# KiCad board SimulTypeUltraFullMag.kicad_pcb (continued)
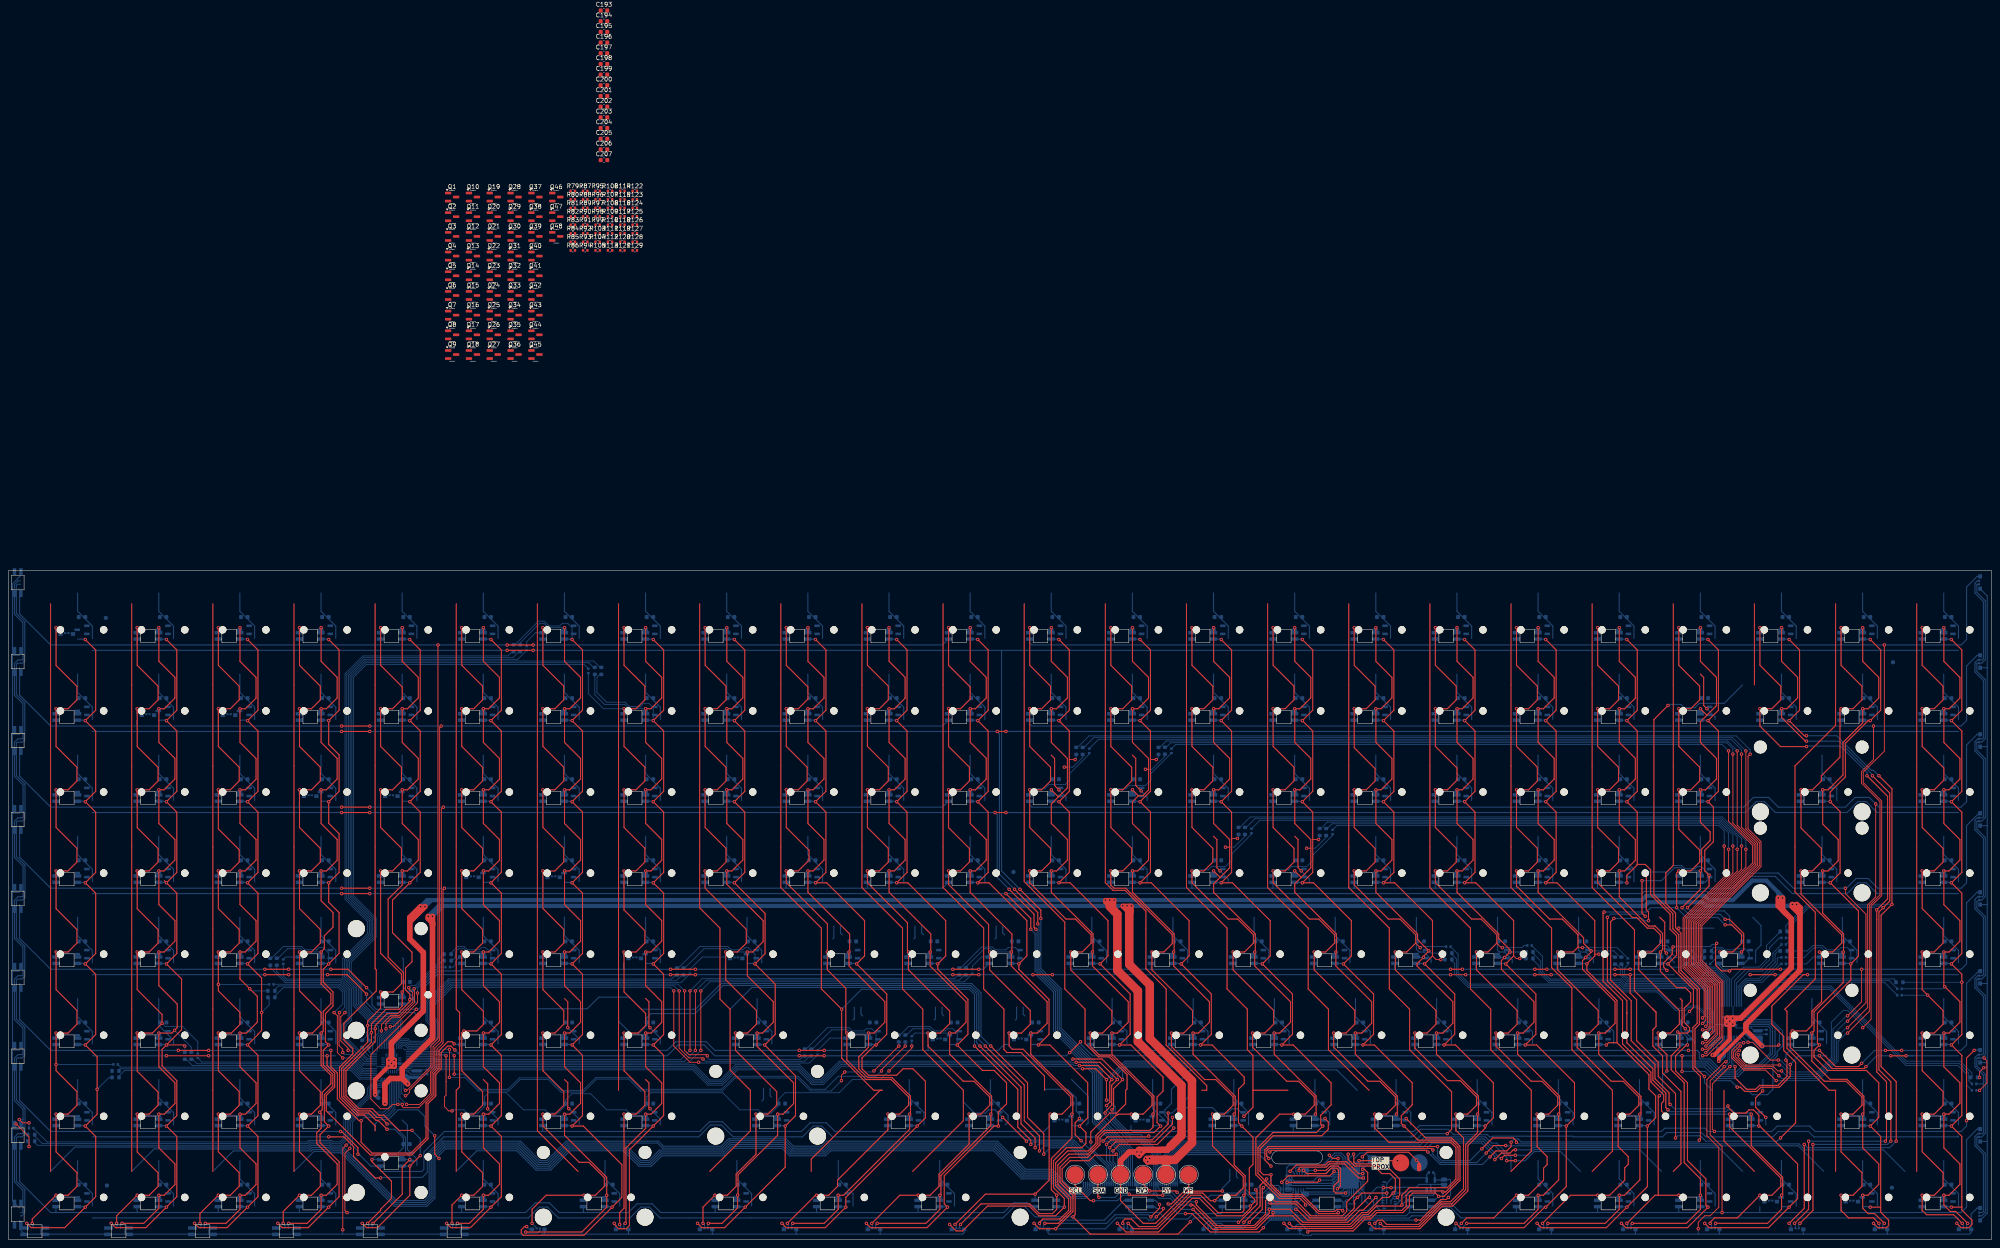
[diagram p0: board, top side]
## Routing (per net, layer and track width the routed paths; a pad name or vN(x,y) marks a point on that pad's centre or on a via; arc(x,y) is an arc through that point) (continued)
COL11: length 300.5
  Top w0.2: v1(104.64,38.84) v1(104.64,43.16) ; v1(204.97,39.6) 204.97,39.86 v1(210.55,45.45)
  Top w0.25: 280.17,35.05 281.34,35.05 281.34,36.13 271.81,45.66 271.81,58.86 267.05,63.63 267.05,77.14 262.17,82.02 259.32,82.02 257.52,83.82 257.52,149.35 ; v1(272.28,29.7) 272.28,27.16 268.5,23.39 258.85,23.39 v1(257.8,22.33)
  Bottom w0.2: v1(204.97,39.6) 203.7,38.33 194.81,38.33 191.76,35.29 188.46,35.29 185.41,38.33 170.42,38.33 167.37,35.29 148.58,35.29 145.78,38.08 137.91,38.08 134.86,35.03 129.84,35.03 126.9,37.97 119.96,37.97 117.28,35.29 110.48,35.29 106.92,38.84 v1(104.64,38.84) ; v1(104.64,43.16) 103.87,43.92 101.73,43.92 101.59,43.78 93.35,43.78 ; 210.55,46.72 v1(210.55,45.45)
  Bottom w0.25: v1(272.28,29.7) 273.21,29.7 278.56,35.05 ; v1(257.8,22.33) 257.8,18.53 258.89,17.43 J1.14
COL12: length 278.9
  Top w0.2: v1(163.06,42.4) 162.8,42.65 159.75,42.65 157.47,44.94 v1(157.47,58.4)
  Top w0.25: v1(254.11,22.9) 254.11,25.24 258.56,29.7 260.15,29.7 262.29,31.83 262.29,35.05 262.62,35.39 262.62,38.71 258.43,42.9 255.9,42.9 252.76,46.04 252.76,54.1 248,58.86 248,74.55 238.47,84.07 238.47,149.35
  Bottom w0.2: 188.46,43.41 186.9,41.86 163.6,41.86 v1(163.06,42.4) ; v1(157.47,58.4) 156.27,59.59 103.97,59.59 99.63,55.26 99.63,51.95 100.65,50.94 100.65,47.58 98.05,44.98 93.71,44.98 93.16,45.53 92.51,45.53 92.3,45.33 92.3,44.83
  Bottom w0.25: v1(254.11,22.9) 254.11,21.58 258.39,17.3 J1.13
COL13: length 240.2
  Top w0.25: 219.42,149.35 219.42,82.68 228.95,73.15 228.95,58.86 233.71,54.1 233.71,44.64 234.43,43.92 237.73,43.92 243.24,38.42 243.24,35.05 ; v1(251.45,28.43) 250.43,27.41 250.43,24.62 v1(251.83,23.22)
  Bottom w0.2: 91.1,44.83 91.1,45.83 92.01,46.73 93.66,46.73 94.21,46.18 97.55,46.18 99.45,48.08 99.45,50.44 98.43,51.45 98.43,55.77 103.45,60.79 156.82,60.79 158.48,62.46
  Bottom w0.25: J1.12 257.89,17.16 v1(251.83,23.22) ; 243.24,35.05 243.47,35.29 248.65,35.29 250.69,33.25 250.69,30.21 251.45,29.44 v1(251.45,28.43)
COL14: length 355.2
  Top w0.25: v1(239,23.09) v1(233.41,28.68) ; 212.28,16 224.19,27.91 224.19,35.05 214.66,44.58 214.66,54.1 209.9,58.86 209.9,73.15 200.37,82.68 200.37,149.35
  Bottom w0.2: 137.66,134.1 136.24,135.51 83.9,135.51 80.61,132.23 80.61,80.62 85.92,75.32 85.92,71.2 80.07,65.36 80.07,62.2 82.54,59.73 82.54,55.58 85.74,52.38 90.82,52.38 92.01,51.19 92.01,49 91.47,48.45 ; 91.47,48.45 91.85,48.84 ; 91.47,48.45 89.5,46.49 89.5,44.83
  Bottom w0.25: J1.11 257.39,16.14 250.18,23.35 239.26,23.35 v1(239,23.09) ; v1(233.41,28.68) 231.64,30.46 230.11,30.46 229.35,29.7 226.81,29.7 224.19,32.32 224.19,35.05
COL15: length 393.4
  Top w0.25: v1(226.81,45.45) 236.97,35.29 236.97,26.4 240.02,23.35 v1(240.02,22.33) ; 181.32,149.35 181.32,82.68 190.85,73.15 190.85,58.86 v1(195.61,54.1) 195.61,42.61 203.17,35.05 205.14,35.05 204.64,35.05 188.47,18.88 188.47,16
  Bottom w0.2: 120.13,138.41 118.43,136.71 83.4,136.71 79.41,132.72 79.41,80.12 84.72,74.82 84.72,71.7 78.87,65.86 78.87,61.71 81.34,59.24 81.34,55.08 85.24,51.18 90.32,51.18 90.81,50.69 90.81,49.49 88.3,46.99 88.3,44.83
  Bottom w0.25: J1.10 256.89,16 249.99,22.9 240.58,22.9 v1(240.02,22.33) ; v1(195.61,54.1) 200.28,58.77 225.6,58.77 226.81,57.56 v1(226.81,45.45)
COL16: length 294.6
  Top w0.2: v1(88.63,49.51) 88.63,50.78 90.09,52.24 91.93,52.24 95.32,55.63 95.32,58.82 v1(95.24,58.91)
  Top w0.25: v1(228.08,45.45) 237.73,35.79 237.73,27.16 241.03,23.86 v1(241.03,21.57) ; 162.27,149.35 162.27,77.91 167.04,73.15 167.04,56.48 169.42,54.1 169.42,39.81 174.18,35.05 174.18,25.53 164.66,16
  Bottom w0.2: 102.6,65.51 101.9,65.51 95.66,59.27 95.6,59.27 v1(95.24,58.91) ; v1(88.63,49.51) 88.63,49.01 87.1,47.48 87.1,44.83
  Bottom w0.25: v1(228.08,45.45) 227.32,46.21 227.32,57.69 225.79,59.22 174.53,59.22 169.42,54.1 ; J1.9 256.39,15.86 249.8,22.45 241.91,22.45 v1(241.03,21.57)
COL17: length 275.3
  Top w0.25: 143.22,35.05 143.22,149.35 ; v1(242.05,20.81) 242.05,24.36 238.49,27.92 238.49,36.3 v1(229.35,45.45)
  Bottom w0.2: 86.45,43.38 85.42,43.38 84.57,44.23 84.57,45.45
  Bottom w0.25: J1.8 255.89,15.73 249.62,22 243.24,22 v1(242.05,20.81) ; 143.22,54.1 143.22,51.31 146.04,48.49 148.07,48.49 149.85,50.27 149.85,52.05 150.86,53.07 161.15,53.07 167.75,59.67 225.97,59.67 227.83,57.82 227.83,46.97 v1(229.35,45.45)
COL18: length 351.8
  Top w0.25: 133.7,16 124.17,25.53 124.17,149.35 ; v1(243.07,20.05) 243.07,24.87 239.26,28.68 239.26,36.81 v1(230.62,45.45)
  Bottom w0.2: 86.45,42.18 84.01,42.18 78.62,47.57 78.62,50.22 80.14,51.75 80.14,58.74 78.09,60.79 65.1,60.79 62.98,62.92 62.98,64.75
  Bottom w0.25: v1(230.62,45.45) 228.33,47.73 228.33,57.94 226.16,60.12 167.31,60.12 161.28,54.08 148.58,54.08 145.72,56.94 138.61,56.94 135.87,54.21 124.28,54.21 124.17,54.1 ; v1(243.07,20.05) 244.57,21.55 249.43,21.55 255.39,15.59 J1.7
COL19: length 343.2
  Top w0.2: 77.71,53.57 v1(77.71,53.32) 77.6,53.21 77.6,45.55 78.47,44.69 v1(78.47,43.92)
  Top w0.25: 105.12,149.35 105.12,54.1 105.91,53.32 105.91,35.83 105.12,35.05 105.12,16
  Bottom w0.2: v1(77.71,53.32) 78.87,54.48 78.87,58.31 77.62,59.56 63.38,59.56 62.22,58.4 ; v1(78.47,43.92) 78.92,43.48 80.59,43.48 83.09,40.98 86.45,40.98
  Bottom w0.25: 105.12,16 109.97,20.84 119.31,20.84 123.85,16.3 127.29,16.3 131.84,20.84 144.35,20.84 147.99,17.2 150.94,17.2 153.41,19.67 168.26,19.67 170.01,21.41 181.62,21.41 183.37,19.67 191.84,19.67 193.02,20.84 231.26,20.84 237.87,14.24 244.05,14.24 248.62,9.67 252.89,9.67 254.89,11.67 J1.6
COL20: length 374.6
  Top w0.25: v1(101.08,19.03) 100.06,20.05 v1(100.06,24.36) ; 86.07,25.53 86.07,26.67 83.5,29.25 81.78,29.25 77.71,33.32 77.71,40.49 80.82,43.61 80.82,44.88 78.73,46.97 78.73,50.78 86.35,58.4 86.35,63.35 86.07,63.63 86.07,149.35
  Bottom w0.2: 86.45,39.38 82.99,39.38 81.08,41.29 44.27,41.29 42.91,42.65
  Bottom w0.25: 86.07,25.53 86.07,27.14 87.09,28.15 89.16,28.15 91.47,30.46 96.16,30.46 97.78,28.84 97.78,26.65 v1(100.06,24.36) ; J1.5 254.39,11.81 252.7,10.12 248.8,10.12 244.23,14.69 238.05,14.69 231.45,21.29 192.83,21.29 191.66,20.12 183.55,20.12 181.81,21.86 169.82,21.86 168.08,20.12 153.22,20.12 150.75,17.65 148.18,17.65 144.53,21.29 131.65,21.29 127.1,16.75 124.04,16.75 119.49,21.29 102.59,21.29 101.08,19.79 v1(101.08,19.03)
COL21: length 416.1
  Top w0.25: 67.02,149.35 67.02,16
  Bottom w0.2: 25.64,39.6 26.13,40.09 80.58,40.09 82.59,38.08 86.96,38.08 87.1,37.93
  Bottom w0.25: J1.4 253.89,11.94 252.51,10.57 248.99,10.57 244.42,15.14 238.24,15.14 231.64,21.74 192.65,21.74 191.47,20.57 183.74,20.57 182,22.31 169.64,22.31 167.89,20.57 153.04,20.57 150.57,18.1 148.37,18.1 144.72,21.74 131.46,21.74 126.92,17.2 124.23,17.2 119.68,21.74 102.4,21.74 100.12,19.46 100.12,9.7 98.22,7.8 90.6,7.8 78.03,20.37 75,20.37 74.66,20.7 71.72,20.7 67.02,16
COL22: length 466.2
  Top w0.25: 47.97,149.35 47.97,16
  Bottom w0.2: 88.3,37.93 88.3,37.11 87.35,36.16 85.5,36.16 84.72,35.38 84.72,33.85 79.13,28.26 79.13,23.73 77.94,22.54 76,22.54 75.67,22.88 70.63,22.88 70.29,22.53 7.92,22.53 5.83,24.62
  Bottom w0.25: 79.49,19.54 90.79,8.25 98.03,8.25 99.67,9.89 99.67,19.65 102.21,22.19 119.86,22.19 124.41,17.65 126.73,17.65 131.28,22.19 144.91,22.19 148.55,18.55 150.38,18.55 152.85,21.02 167.71,21.02 169.45,22.76 182.18,22.76 183.93,21.02 191.28,21.02 192.46,22.19 231.82,22.19 238.43,15.59 244.6,15.59 249.18,11.02 252.33,11.02 253.39,12.08 J1.3 ; 79.49,19.54 79.62,19.42 ; 79.49,19.54 78.22,20.82 75.25,20.82 74.92,21.15 71.45,21.15 71.11,20.81 52.78,20.81 47.97,16
COL23: length 388.6
  Top w0.25: 28.92,16 28.92,149.35
  Bottom w0.25: 81.08,18.59 78.41,21.27 75.47,21.27 75.14,21.6 71.26,21.6 70.92,21.26 34.18,21.26 28.92,16 ; 81.08,18.59 81.21,18.46 ; 81.08,18.59 90.97,8.7 97.84,8.7 99.22,10.08 99.22,19.84 102.03,22.64 120.05,22.64 124.6,18.1 126.54,18.1 131.09,22.64 152.39,22.64 153.56,21.47 167.52,21.47 169.26,23.21 182.37,23.21 184.11,21.47 191.1,21.47 192.27,22.64 232.01,22.64 238.61,16.04 244.79,16.04 249.36,11.47 252.14,11.47 252.89,12.22 J1.2
COL24: length 446.1
  Top w0.25: 9.87,16 9.87,149.35
  Bottom w0.2: 407.55,54.09 407.88,54.09 415.01,61.22 442.68,61.22 443.47,60.43
  Bottom w0.25: 9.87,16 15.58,21.71 70.73,21.71 71.08,22.05 75.33,22.05 75.66,21.72 78.59,21.72 91.16,9.15 97.66,9.15 98.77,10.26 98.77,20.02 101.84,23.09 120.24,23.09 124.78,18.55 126.36,18.55 130.9,23.09 152.57,23.09 153.75,21.92 167.33,21.92 169.08,23.66 182.55,23.66 184.3,21.92 190.91,21.92 192.09,23.09 232.19,23.09 238.8,16.49 244.98,16.49 249.55,11.92 251.96,11.92 252.39,12.35 J1.1
G1: length 67.5
  Bottom w0.2: R78.2 459.73,36.3 459.73,38.84 457.7,40.88 445.5,40.88 427.64,58.74 415.36,58.74 408.71,52.09 407.55,52.09
G24: length 5.2
  Bottom w0.2: 93.35,39.38 93.94,39.38 94.48,38.84 R101.2
G26: length 66.6
  Bottom w0.2: 407.55,52.49 408.55,52.49 415.2,59.14 427.8,59.14 445.56,41.38 457.98,41.38 460.24,39.13 460.24,37.32 460.99,36.56
R2: length 93.8
  Bottom w0.2: 87.9,37.93 87.9,37.27 87.19,36.56 85.33,36.56 84.32,35.54 84.32,34.02 78.73,28.43 78.73,23.9 77.77,22.94 76.17,22.94 75.84,23.28 70.47,23.28 70.13,22.93 9.04,22.93 R53.2
R3: length 61.9
  Bottom w0.2: R54.2 26.28,40.49 80.75,40.49 82.66,38.58 86.45,38.58
R4: length 43.2
  Bottom w0.2: 86.45,39.78 83.16,39.78 81.25,41.69 45.4,41.69 R55.2
R5: length 41
  Top w0.2: v1(78.98,53.32) 78,52.34 78,46.68 79.74,44.94 v1(79.74,44.43)
  Bottom w0.2: v1(79.74,44.43) 80.25,44.43 83.3,41.38 86.45,41.38 ; v1(78.98,53.32) 79.27,53.61 79.27,58.48 77.79,59.96 62.26,59.96 R56.2
R6: length 41.5
  Bottom w0.2: 86.45,42.58 84.17,42.58 79.02,47.74 79.02,50.06 80.54,51.58 80.54,58.91 78.25,61.19 65.27,61.19 64.5,61.96 R57.2
R7: length 3.6
  Bottom w0.2: 86.45,43.78 85.73,43.78 85.51,44 85.51,46.13 R58.2
R8: length 26.8
  Top w0.2: v1(89.65,50.02) 90.41,50.02 96.02,55.63 v1(96.02,57.89)
  Bottom w0.2: 87.5,44.83 87.5,47.32 89.65,49.46 v1(89.65,50.02) ; v1(96.02,57.89) 96.02,59.07 100.94,63.99 R59.2
R9: length 145.6
  Bottom w0.2: R60.2 119.55,136.31 83.56,136.31 79.81,132.56 79.81,80.29 85.12,74.99 85.12,71.53 79.27,65.69 79.27,61.87 81.74,59.4 81.74,55.25 85.41,51.58 90.49,51.58 91.21,50.86 91.21,49.33 88.7,46.82 88.7,44.83
R10: length 157.6
  Bottom w0.2: 89.9,44.83 89.9,46.32 92.41,48.83 92.41,51.36 90.99,52.78 85.91,52.78 82.94,55.74 82.94,59.9 80.47,62.37 80.47,65.19 86.32,71.03 86.32,75.49 81.01,80.79 81.01,132.06 84.06,135.11 135.12,135.11 R61.2
R11: length 82.7
  Bottom w0.2: R62.2 157.94,60.39 103.62,60.39 98.83,55.61 98.83,51.62 99.85,50.6 99.85,47.91 97.72,45.78 94.04,45.78 93.49,46.33 92.18,46.33 91.5,45.66 91.5,44.83
R12: length 125.1
  Top w0.2: v1(162.04,41.64) 160.01,41.64 156.2,45.45 v1(156.2,58.4)
  Bottom w0.2: v1(162.04,41.64) 162.22,41.46 188.03,41.46 R63.2 ; v1(156.2,58.4) 155.4,59.19 104.13,59.19 100.03,55.09 100.03,52.12 101.05,51.1 101.05,47.41 98.22,44.58 92.95,44.58 92.7,44.83
R13: length 158.1
  Top w0.2: v1(102.73,43.16) 102.73,37.06 ; 102.73,37.06 102.73,37.05 ; 102.73,37.06 102.73,33.89 102.35,33.51 102.35,31.22 103.37,30.21 v1(104.13,30.21) ; v1(212.08,45.45) 212.08,44.94 v1(206.74,39.6)
  Bottom w0.2: v1(206.74,39.6) 204.71,37.57 198.11,37.57 195.02,34.49 182.32,34.49 180.84,33 180.84,31.48 179.06,29.7 176.77,29.7 176.01,30.46 171.69,30.46 167.67,34.49 150.83,34.49 149.85,33.51 149.85,31.48 148.07,29.7 145.78,29.7 145.02,30.46 140.45,30.46 136.68,34.23 132.28,34.23 130.8,32.75 130.8,31.48 129.02,29.7 126.73,29.7 125.97,30.46 120.89,30.46 116.87,34.49 112.73,34.49 111.75,33.51 111.75,31.22 110.22,29.7 107.68,29.7 106.92,30.46 104.38,30.46 v1(104.13,30.21) ; v1(102.73,43.16) 102.51,43.38 100.32,43.38 ; 100.32,43.38 93.35,43.38 ; 100.32,43.38 102.35,43.38 ; R64.2 v1(212.08,45.45)
R14: length 150.1
  Top w0.2: v1(162.55,44.43) v1(162.55,58.4)
  Bottom w0.2: R65.2 224.38,60.54 164.69,60.54 v1(162.55,58.4) ; 93.35,42.18 99.46,42.18 100.18,41.46 159.58,41.46 v1(162.55,44.43)
R15: length 243.4
  Top w0.2: v1(406.9,114.03) 406.9,96.89 410.67,93.12 410.67,87.94 396.78,74.05 396.78,65.23 401.71,60.29 401.71,47.66 398.74,44.69 v1(397.71,44.69)
  Bottom w0.2: R66.2 255.95,117.51 404.43,117.51 406.9,115.04 v1(406.9,114.03) ; v1(397.71,44.69) 398.77,44.69 399.28,45.19 399.28,45.55 400.47,46.74 401.66,46.74 402.1,47.18 402.1,47.84
R16: length 213.7
  Top w0.2: v1(403.85,114.79) 403.85,98.24 409.47,92.62 409.47,88.44 395.58,74.55 395.58,64.73 400.51,59.8 400.51,48.94 398.54,46.97 v1(398.51,46.97)
  Bottom w0.2: R67.2 274.05,116.31 396.74,116.31 ; 400.65,48.49 400.09,48.49 398.57,46.97 v1(398.51,46.97) ; 396.74,116.31 396.48,116.31 ; 396.74,116.31 402.32,116.31 v1(403.85,114.79)
R17: length 172.9
  Top w0.2: v1(405.88,91.67) 405.88,86.55 394.38,75.05 394.38,64.23 399.31,59.3 399.31,49.9 398.67,49.26 v1(397.75,49.26)
  Bottom w0.2: v1(397.75,49.26) 399.02,49.26 399.45,49.69 400.65,49.69 ; R68.2 293.79,98.46 402.06,98.46 405.88,94.64 v1(405.88,91.67)
R18: length 146.2
  Top w0.2: v1(402.83,92.44) 402.83,85.2 393.18,75.55 393.18,63.73 398.11,58.8 398.11,52.41 v1(397.75,52.05)
  Bottom w0.2: 400.65,51.29 398.51,51.29 v1(397.75,52.05) ; v1(402.83,92.44) 402.83,95.99 401.56,97.26 311.9,97.26 R69.2
R19: length 74
  Bottom w0.2: R70.2 340.35,67.04 340.35,62.72 343.07,59.99 378.19,59.99 379.22,58.96 397.64,58.96 398.33,58.27 398.33,53.82 399.66,52.49 400.65,52.49
R20: length 54.2
  Bottom w0.2: 400.65,53.69 400.15,53.69 399.53,54.31 399.53,58.91 398.28,60.16 379.72,60.16 378.68,61.19 361.94,61.19 360.16,62.97 360.16,66.53 R71.2
R21: length 31.6
  Bottom w0.2: R72.2 380.23,64.5 379.46,63.73 379.46,62.24 380.34,61.36 400.54,61.36 401.7,60.2 401.7,54.74
R22: length 17.8
  Bottom w0.2: R73.2 396.84,66.17 396.84,64.02 398.07,62.79 400.81,62.79 402.9,60.7 402.9,54.74
R23: length 13.8
  Bottom w0.2: R74.2 398.51,64.24 398.77,63.99 401.31,63.99 404.1,61.19 404.1,54.74
R24: length 20.9
  Bottom w0.2: 405.7,54.74 405.7,60.25 408.51,63.06 411.81,63.06 414.26,65.51 414.26,67.29 R75.2
R25: length 16.1
  Bottom w0.2: 406.9,54.74 406.9,59.16 408.18,60.43 411.78,60.43 416.1,64.75 R76.2
R26: length 105.8
  Bottom w0.2: R77.2 440.43,60.42 415.35,60.42 408.21,53.29 407.55,53.29 ; 460.99,38.08 460.99,39.1 458.2,41.89 445.62,41.89 427.97,59.54 415.03,59.54 408.38,52.89 407.55,52.89
ROW1: length 576.3
  Top w0.25: v1(242.38,75.42) 242.38,77.37 v1(237.48,82.28) ; v1(123.18,138.41) 123.18,138.41 v1(117.08,138.41)
  Bottom w0.25: J1.24 263.89,21.32 256.75,28.46 256.75,40.03 247.15,49.62 247.15,58.89 242.38,63.66 v1(242.38,75.42) ; 233.16,138.41 123.18,138.41 v1(123.18,138.41) ; 233.16,138.41 233.16,86.59 v1(237.48,82.28) ; 233.16,138.41 457.83,138.41 ; 19.68,138.41 v1(117.08,138.41)
ROW2: length 571.5
  Top w0.25: v1(78.22,119.36) v1(84.82,119.36) ; v1(241.66,74.15) 241.66,76.83 v1(236.21,82.28) ; v1(234.18,119.36) v1(232.14,119.36)
  Bottom w0.25: 19.68,119.36 v1(78.22,119.36) ; v1(241.66,74.15) 241.93,73.87 241.93,63.48 246.7,58.71 246.7,49.44 256.3,39.84 256.3,28.28 263.39,21.18 J1.23 ; 457.83,119.36 v1(234.18,119.36) 248.28,119.36 ; v1(236.21,82.28) 232.65,85.83 232.65,118.85 v1(232.14,119.36) v1(84.82,119.36)
ROW3: length 556.7
  Top w0.25: v1(241.21,72.88) 240.78,73.31 240.78,76.43 v1(234.94,82.28) ; v1(78.22,100.31) v1(84.82,100.31) ; v1(231.64,100.31) v1(234.18,100.31)
  Bottom w0.25: 457.83,100.31 438.72,100.31 436.18,102.86 434.22,102.86 431.67,100.31 414.85,100.31 412.3,102.86 410.34,102.86 407.8,100.31 234.18,100.31 ; 234.18,100.31 v1(234.18,100.31) ; 234.18,100.31 248.28,100.31 ; 19.68,100.31 v1(78.22,100.31) ; v1(241.21,72.88) 241.48,72.6 241.48,63.29 246.25,58.52 246.25,49.25 255.85,39.66 255.85,28.09 262.89,21.05 J1.22 ; v1(234.94,82.28) 232.14,85.07 232.14,99.8 v1(231.64,100.31) 231.63,100.31 v1(84.82,100.31)
ROW4: length 524
  Top w0.25: v1(234.18,81.26) 240.02,75.42 v1(240.02,72.88) ; v1(78.22,81.26) v1(84.82,81.26)
  Bottom w0.25: 19.68,81.26 v1(78.22,81.26) ; v1(84.82,81.26) v1(234.18,81.26) 383.53,81.26 384.04,81.77 398.77,81.77 399.28,81.26 404.68,81.26 408.74,85.32 414.77,85.32 418.83,81.26 431.67,81.26 434.22,83.81 436.18,83.81 438.72,81.26 457.83,81.26 ; v1(240.02,72.88) 241.03,71.86 241.03,63.1 245.8,58.33 245.8,49.06 255.4,39.47 255.4,27.91 262.39,20.91 J1.21
ROW5: length 625.3
  Top w0.2: v1(338.57,62.21) v1(342.13,62.21)
  Top w0.25: 387.7,75.69 388.86,74.53 388.86,67.67 v1(389.24,67.29) ; v1(391.4,23.86) 391.4,34.27 387.34,38.33 387.34,41.64 382.26,46.72 382.26,56.37 380.73,57.89 v1(380.73,62.21) v1(377.18,62.21) ; v1(422.39,62.21) 421.37,62.21 414.01,54.84 414.01,50.53 416.8,47.73 416.8,44.43 419.6,41.64 419.6,27.41 v1(416.04,23.86) ; v1(84.06,57.64) 79.49,62.21 v1(74.92,62.21) ; v1(245.1,62.21) v1(240.53,62.21) ; v1(358.38,62.21) v1(362.19,62.21) ; v1(414.77,62.21) 408.93,62.21 v1(408.93,62.21) ; v1(155.44,62.21) v1(161.28,62.21) ; v1(60.19,62.21) v1(65.77,62.21) ; v1(221.73,62.21) v1(227.83,62.21)
  Bottom w0.2: 334.01,62.21 v1(338.57,62.21)
  Bottom w0.25: 76.83,62.21 v1(65.77,62.21) ; v1(416.04,23.86) 415.28,23.09 398.51,23.09 397.24,24.36 391.91,24.36 v1(391.4,23.86) ; v1(342.13,62.21) v1(358.38,62.21) ; v1(221.73,62.21) v1(161.28,62.21) ; v1(389.24,67.29) 389.24,66.93 391.16,65.01 ; J1.20 261.89,20.77 254.95,27.72 254.95,39.28 245.35,48.88 245.35,58.15 241.29,62.21 v1(240.53,62.21) 240.52,62.21 v1(227.83,62.21) ; 457.83,62.21 v1(422.39,62.21) v1(414.77,62.21) ; 19.68,62.21 v1(60.19,62.21) ; v1(377.18,62.21) v1(362.19,62.21) ; v1(338.57,62.21) 245.1,62.21 v1(245.1,62.21) ; 410.21,62.21 410.21,62.21 v1(408.93,62.21) ; v1(84.06,57.64) 84.06,55.61 86.35,53.32 95.25,53.32 95.88,52.69 97.52,54.33 97.52,59.16 100.57,62.21 v1(155.44,62.21) ; v1(380.73,62.21) 391.16,62.21
ROW6: length 543.5
  Top w0.2: v1(37.07,43.16) v1(46.98,43.16)
  Top w0.25: v1(392.93,39.48) v1(392.93,43.16) ; v1(418.33,41.13) 418.33,38.33 415.75,35.76 411.43,35.76 410.45,34.78 407.66,34.78 406.64,35.79 v1(405.88,35.79) ; v1(74.8,43.16) 74.8,40.86 76.58,39.08 76.58,35.8 74.61,33.83 74.61,30.21 84.96,19.85 94.66,19.85 98.48,23.67 98.48,31.9 100.32,33.74 100.32,38.82 101.59,40.09 101.59,43.92 103.11,45.45 103.87,45.45 v1(104.79,44.53) ; v1(425.18,43.16) 428.18,40.17 435.65,40.17 v1(436.11,40.62) ; v1(249.16,43.92) v1(251.7,46.46) ; v1(185.66,43.16) v1(191.5,43.16) ; v1(441.95,43.16) v1(445.5,43.16)
  Bottom w0.2: 38.73,43.16 v1(37.07,43.16)
  Bottom w0.25: v1(436.11,40.62) 438.65,43.16 v1(441.95,43.16) ; v1(249.16,43.92) 249.67,43.92 254.5,39.1 254.5,27.53 261.39,20.64 J1.19 ; v1(249.16,43.92) 248.4,43.16 v1(191.5,43.16) ; v1(249.16,43.92) 249.16,43.92 ; v1(392.93,39.48) 398.39,39.48 400.55,37.32 404.36,37.32 v1(405.88,35.79) ; v1(37.07,43.16) 19.68,43.16 ; 395.92,43.16 v1(392.93,43.16) 254.49,43.16 251.7,45.95 v1(251.7,46.46) ; v1(104.79,44.53) 106.16,43.16 154.67,43.16 157.21,45.7 163.31,45.7 165.85,43.16 v1(185.66,43.16) ; 426.88,43.16 v1(425.18,43.16) 420.36,43.16 v1(418.33,41.13) ; 76.83,43.16 v1(74.8,43.16) v1(46.98,43.16) ; 447.28,43.16 v1(445.5,43.16) 457.83,43.16
ROW7: length 487.6
  Top w0.25: v1(267.71,24.3) 267.53,24.11 258.02,24.11 v1(257,23.09) ; v1(87.36,14.46) 86.09,14.46 81.01,19.54 81.01,21.82 78.73,24.11 v1(75.17,24.11)
  Bottom w0.25: 87.24,14.59 v1(87.36,14.46) 87.49,14.59 97.14,14.59 98.32,15.76 98.32,20.21 102.22,24.11 162.04,24.11 164.83,26.91 167.37,26.91 170.17,24.11 186.4,24.11 188.95,26.66 190.91,26.66 193.45,24.11 254.49,24.11 ; 76.83,24.11 v1(75.17,24.11) 19.68,24.11 ; 329.25,24.11 329.68,24.11 331.46,25.89 338.06,25.89 339.33,24.62 347.21,24.62 347.71,24.11 348.3,24.11 348.45,24.27 367.19,24.27 367.35,24.11 388.35,24.11 389.37,25.13 397.5,25.13 398.51,24.11 414.26,24.11 415.53,25.38 422.64,25.38 423.91,24.11 457.83,24.11 457.58,24.36 ; 329.25,24.11 329.5,24.36 ; 329.25,24.11 267.9,24.11 v1(267.71,24.3) ; J1.18 260.89,20.5 258.3,23.09 v1(257,23.09) 255.98,24.11 254.5,24.11 254.49,24.11 ; 254.49,24.11 253.05,24.11 ; 268.64,37.59 268.64,30.8 272.1,27.34 272.1,26.91
ROW8: length 484
  Top w0.25: v1(277.48,4.17) 274.56,1.25 253.99,1.25 v1(249.92,5.31) 250.43,5.82 250.43,10.65 247.38,13.7 247.38,16.62 249.29,18.52 253.73,18.52 255,19.79 259.83,19.79 v1(260.08,20.05)
  Bottom w0.25: v1(277.48,4.17) 278.37,5.06 293.53,5.06 293.56,5.03 328.89,5.03 329.43,5.57 329.68,5.57 329.68,5.57 334.25,5.57 336.29,7.61 338.51,7.61 341.05,5.06 457.83,5.06 ; v1(249.92,5.31) 241.04,5.31 238.5,7.85 236.25,7.85 233.45,5.06 152.97,5.06 150.43,7.61 148.47,7.61 145.92,5.06 129.1,5.06 126.55,7.61 124.59,7.61 122.05,5.06 19.68,5.06 ; v1(260.08,20.05) 260.39,19.74 J1.17
SW1_L: length 354
  Top w0.2: v1(93.21,35.03) 93.53,35.03 99.17,40.67 99.17,45.57 100.83,47.22 v1(100.83,139.68)
  Top w0.25: v1(117.08,139.68) v1(123.18,139.68)
  Bottom w0.2: v1(93.21,35.03) 92.7,35.53 92.7,37.93
  Bottom w0.25: 144.51,139.68 144.48,139.71 LED8.4 ; 144.51,139.68 125.46,139.68 ; 144.51,139.68 163.56,139.68 ; 87.36,139.68 v1(100.83,139.68) 106.41,139.68 ; 87.36,139.68 68.31,139.68 ; 87.36,139.68 87.33,139.71 LED5.4 ; 30.18,141.06 30.18,139.71 30.21,139.68 ; 30.21,139.68 11.16,139.68 ; 30.21,139.68 49.26,139.68 ; 11.16,139.68 9.89,139.68 2.6,146.98 2.6,152.88 ; 11.16,139.68 11.13,139.71 11.13,141.06 ; LED11.4 201.63,139.71 201.66,139.68 ; 106.41,139.68 106.38,139.71 106.38,141.06 ; 106.41,139.68 v1(117.08,139.68) ; 201.66,139.68 219.3,139.68 LED12.4 ; 201.66,139.68 182.61,139.68 ; 182.61,139.68 182.58,139.71 LED10.4 ; 182.61,139.68 163.56,139.68 ; 163.56,139.68 163.53,139.71 LED9.4 ; 68.31,139.68 49.26,139.68 ; 68.31,139.68 68.28,139.71 LED4.4 ; 49.26,139.68 49.23,139.71 LED3.4 ; 125.46,139.68 v1(123.18,139.68) ; 125.46,139.68 125.43,139.71 125.43,141.06
SW1_R: length 393.9
  Top w0.2: v1(440.42,139.68) 440.42,114.73 435.47,109.78 435.47,107.35 439.81,103.02 439.81,80.78 437.31,78.28 437.31,51.73 v1(435.34,49.76) ; v1(408.42,46.33) 409.49,46.33 413.68,42.14 v1(415.53,42.14)
  Bottom w0.2: v1(435.34,49.76) 435.34,50.27 431.79,53.83 430.77,53.83 427.98,51.03 427.98,42.65 424.68,39.35 418.81,39.35 416.01,42.14 v1(415.53,42.14) ; v1(408.42,46.33) 408.41,46.33 406.9,47.84
  Bottom w0.25: 392.16,139.68 373.11,139.68 ; 392.16,139.68 392.13,139.71 392.13,141.06 ; 392.16,139.68 411.21,139.68 ; 373.11,139.68 354.06,139.68 ; 373.11,139.68 373.08,139.71 LED20.4 ; 315.96,139.68 296.91,139.68 ; 315.96,139.68 315.93,139.71 LED17.4 ; 315.96,139.68 335.01,139.68 ; 296.91,139.68 277.86,139.68 ; 296.91,139.68 296.88,139.71 LED16.4 ; 258.81,139.68 240.27,139.68 239.73,140.22 239.73,141.06 ; 258.81,139.68 277.86,139.68 ; 258.81,139.68 258.78,139.71 LED14.4 ; LED23.4 430.23,139.71 430.26,139.68 ; 277.86,139.68 277.83,139.71 LED15.4 ; 335.01,139.68 334.98,139.71 LED18.4 ; 335.01,139.68 354.06,139.68 ; LED19.4 354.03,139.71 354.06,139.68 ; 411.21,139.68 411.18,139.71 LED22.4 ; 411.21,139.68 430.26,139.68 ; 430.26,139.68 v1(440.42,139.68) 449.31,139.68 ; LED24.4 449.28,139.71 449.31,139.68 ; 449.31,139.68 458.46,139.68 459.73,140.95 459.73,153.29 462.23,155.79 462.92,155.79
SW2_L: length 338.5
  Top w0.2: v1(101.59,120.63) 101.23,120.27 101.23,46.86 99.68,45.32 99.68,40.62 94.16,35.09 94.16,34.54 93.39,33.76 v1(93.21,33.76)
  Top w0.25: v1(78.22,120.63) v1(84.82,120.63)
  Bottom w0.2: 92.3,37.93 92.3,34.41 92.95,33.76 v1(93.21,33.76)
  Bottom w0.25: 11.16,120.63 30.21,120.63 ; 11.16,120.63 11.13,120.66 11.13,122.01 ; 11.16,120.63 9.89,120.63 2.6,127.92 2.6,134.33 ; 30.21,120.63 30.18,120.66 30.18,122.01 ; 30.21,120.63 49.26,120.63 ; 201.66,120.63 219.3,120.63 LED36.4 ; 201.66,120.63 201.63,120.66 LED35.4 ; 201.66,120.63 182.61,120.63 ; 144.51,120.63 144.48,120.66 LED32.4 ; 144.51,120.63 125.46,120.63 ; 144.51,120.63 163.56,120.63 ; v1(84.82,120.63) 87.36,120.63 ; 87.36,120.63 87.33,120.66 LED29.4 ; 87.36,120.63 v1(101.59,120.63) 106.41,120.63 ; 182.61,120.63 182.58,120.66 LED34.4 ; 182.61,120.63 163.56,120.63 ; 106.41,120.63 125.46,120.63 ; 106.41,120.63 106.38,120.66 106.38,122.01 ; 125.46,120.63 125.43,120.66 125.43,122.01 ; 163.56,120.63 163.53,120.66 LED33.4 ; LED28.4 68.28,120.66 68.31,120.63 ; 49.26,120.63 68.31,120.63 ; 49.26,120.63 49.23,120.66 49.23,122.01 ; 68.31,120.63 v1(78.22,120.63)
SW2_R: length 376.2
  Top w0.2: v1(437.88,120.63) 437.88,112.76 435.07,109.94 435.07,107.19 439.41,102.85 439.41,80.95 436.91,78.45 436.91,53.61 v1(431.79,48.49) ; v1(415.02,37.32) 412.55,39.79 407.47,39.79 404.63,42.63 404.63,44.43 406.41,46.21 v1(407.4,46.21)
  Bottom w0.2: v1(431.79,48.49) 431.53,48.49 429.58,46.54 429.58,41.99 424.91,37.32 v1(415.02,37.32) ; v1(407.4,46.21) 406.5,47.11 406.5,47.84
  Bottom w0.25: 392.16,120.63 392.13,120.66 392.13,122.01 ; 392.16,120.63 411.21,120.63 ; 392.16,120.63 373.11,120.63 ; LED42.4 334.98,120.66 335.01,120.63 ; LED46.4 411.18,120.66 411.21,120.63 ; 411.21,120.63 430.26,120.63 ; LED43.4 354.03,120.66 354.06,120.63 ; LED41.4 315.93,120.66 315.96,120.63 ; 315.96,120.63 335.01,120.63 ; 315.96,120.63 296.91,120.63 ; 335.01,120.63 354.06,120.63 ; LED40.4 296.88,120.66 296.91,120.63 ; LED47.4 430.23,120.66 430.26,120.63 ; 373.11,120.63 373.08,120.66 LED44.4 ; 373.11,120.63 354.06,120.63 ; 258.81,120.63 277.86,120.63 ; 258.81,120.63 240.27,120.63 239.73,121.17 239.73,122.01 ; 258.81,120.63 258.78,120.66 258.78,122.01 ; 277.86,120.63 296.91,120.63 ; 277.86,120.63 277.83,120.66 277.83,122.01 ; 462.92,137.24 462.23,137.24 459.73,134.74 459.73,121.9 458.46,120.63 449.31,120.63 ; 430.26,120.63 v1(437.88,120.63) 449.31,120.63 ; 449.31,120.63 449.28,120.66 LED48.4
